# KiCad board PANEL_DRY_ELECTRODES.kicad_pcb (continued)
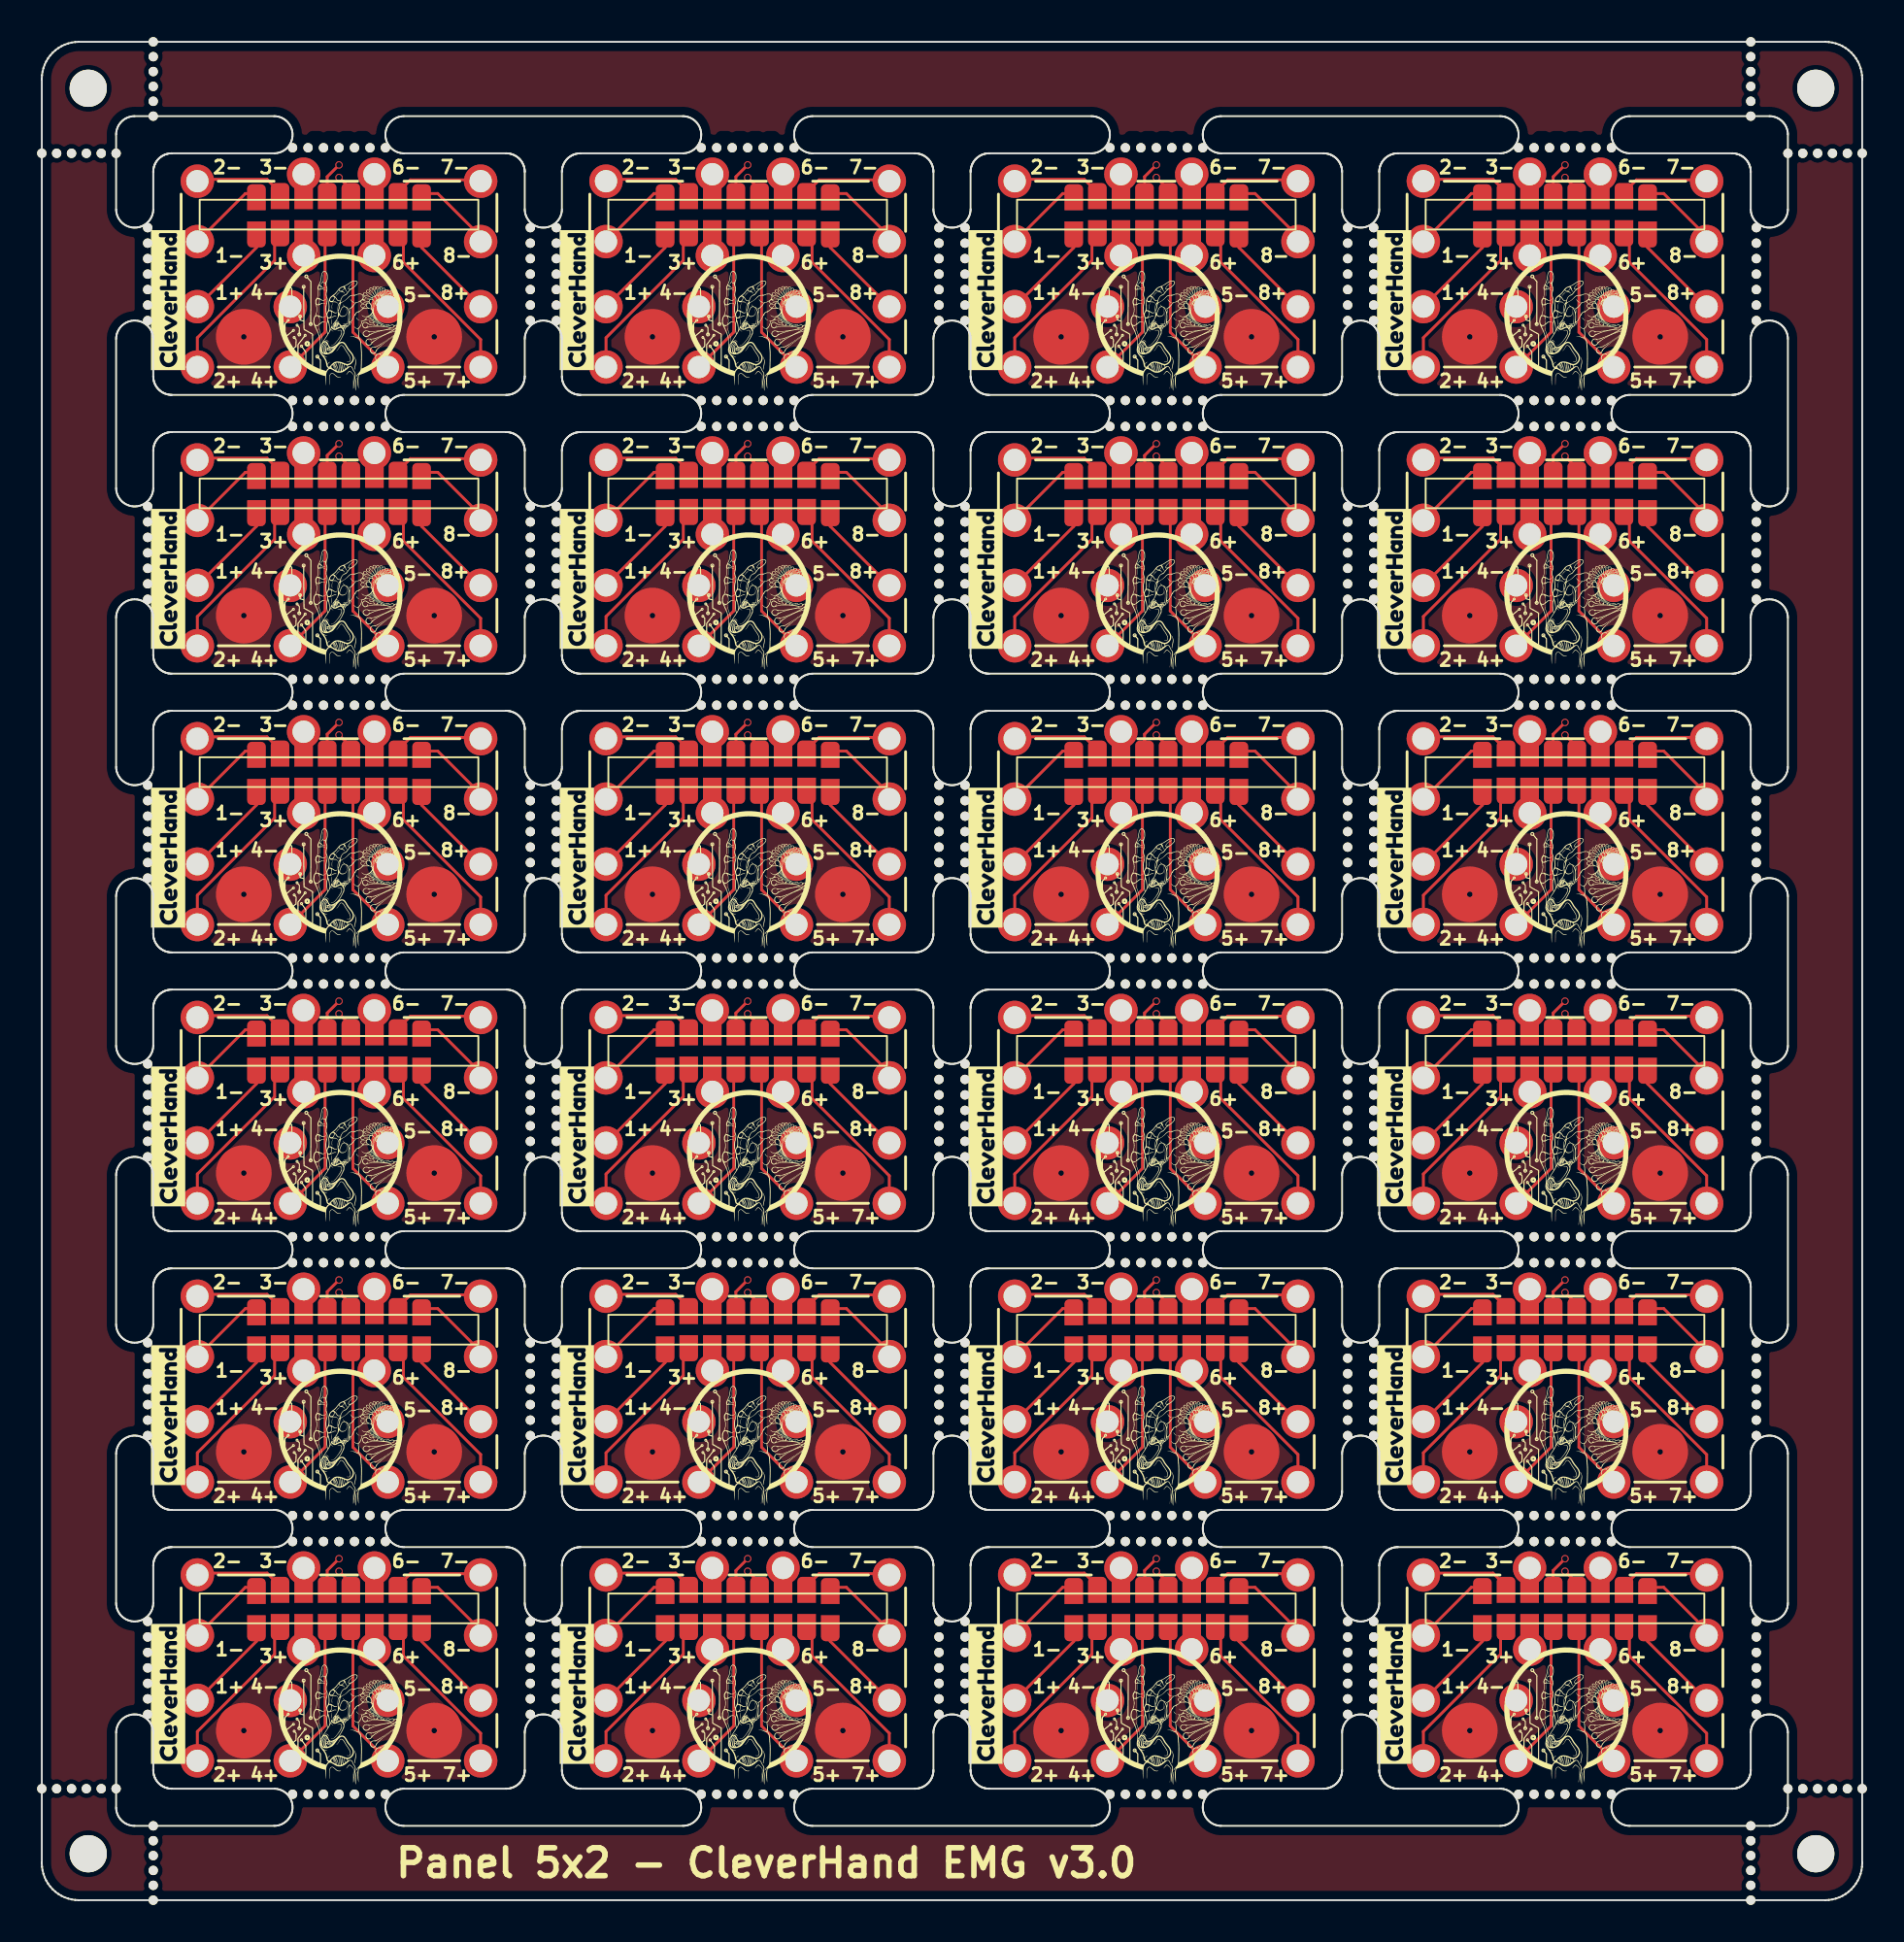
[diagram p0: board, top side]
## Placement (name value [footprint] x y rotation side) (continued)
J10  Conn_01x01_Pin  [SolderWirePad_1x01_SMD_1x2mm]  12.83 90 180 top
J10#2  Conn_01x01_Pin  [SolderWirePad_1x01_SMD_1x2mm]  78.83 90 180 top
J10#3  Conn_01x01_Pin  [SolderWirePad_1x01_SMD_1x2mm]  34.83 30 180 top
J10#4  Conn_01x01_Pin  [SolderWirePad_1x01_SMD_1x2mm]  56.83 75 180 top
J10#5  Conn_01x01_Pin  [SolderWirePad_1x01_SMD_1x2mm]  34.83 60 180 top
J10#6  Conn_01x01_Pin  [SolderWirePad_1x01_SMD_1x2mm]  78.83 15 180 top
J10#7  Conn_01x01_Pin  [SolderWirePad_1x01_SMD_1x2mm]  78.83 30 180 top
J10#8  Conn_01x01_Pin  [SolderWirePad_1x01_SMD_1x2mm]  12.83 75 180 top
J10#9  Conn_01x01_Pin  [SolderWirePad_1x01_SMD_1x2mm]  56.83 30 180 top
J10#10  Conn_01x01_Pin  [SolderWirePad_1x01_SMD_1x2mm]  78.83 60 180 top
J10#11  Conn_01x01_Pin  [SolderWirePad_1x01_SMD_1x2mm]  12.83 45 180 top
J10#12  Conn_01x01_Pin  [SolderWirePad_1x01_SMD_1x2mm]  78.83 45 180 top
J10#13  Conn_01x01_Pin  [SolderWirePad_1x01_SMD_1x2mm]  12.83 15 180 top
J10#14  Conn_01x01_Pin  [SolderWirePad_1x01_SMD_1x2mm]  12.83 60 180 top
J10#15  Conn_01x01_Pin  [SolderWirePad_1x01_SMD_1x2mm]  56.83 60 180 top
J10#16  Conn_01x01_Pin  [SolderWirePad_1x01_SMD_1x2mm]  56.83 45 180 top
J10#17  Conn_01x01_Pin  [SolderWirePad_1x01_SMD_1x2mm]  56.83 15 180 top
J10#18  Conn_01x01_Pin  [SolderWirePad_1x01_SMD_1x2mm]  56.83 90 180 top
J10#19  Conn_01x01_Pin  [SolderWirePad_1x01_SMD_1x2mm]  12.83 30 180 top
J10#20  Conn_01x01_Pin  [SolderWirePad_1x01_SMD_1x2mm]  34.83 45 180 top
J10#21  Conn_01x01_Pin  [SolderWirePad_1x01_SMD_1x2mm]  34.83 90 180 top
J10#22  Conn_01x01_Pin  [SolderWirePad_1x01_SMD_1x2mm]  34.83 15 180 top
J10#23  Conn_01x01_Pin  [SolderWirePad_1x01_SMD_1x2mm]  34.83 75 180 top
J10#24  Conn_01x01_Pin  [SolderWirePad_1x01_SMD_1x2mm]  78.83 75 180 top
J11  Conn_01x01_Pin  [SolderWirePad_1x01_SMD_1x2mm]  36.09 15 180 top
J11#2  Conn_01x01_Pin  [SolderWirePad_1x01_SMD_1x2mm]  58.09 15 180 top
J11#3  Conn_01x01_Pin  [SolderWirePad_1x01_SMD_1x2mm]  80.09 30 180 top
J11#4  Conn_01x01_Pin  [SolderWirePad_1x01_SMD_1x2mm]  58.09 45 180 top
J11#5  Conn_01x01_Pin  [SolderWirePad_1x01_SMD_1x2mm]  36.09 30 180 top
J11#6  Conn_01x01_Pin  [SolderWirePad_1x01_SMD_1x2mm]  80.09 90 180 top
J11#7  Conn_01x01_Pin  [SolderWirePad_1x01_SMD_1x2mm]  58.09 30 180 top
J11#8  Conn_01x01_Pin  [SolderWirePad_1x01_SMD_1x2mm]  36.09 45 180 top
J11#9  Conn_01x01_Pin  [SolderWirePad_1x01_SMD_1x2mm]  14.09 30 180 top
J11#10  Conn_01x01_Pin  [SolderWirePad_1x01_SMD_1x2mm]  80.09 60 180 top
J11#11  Conn_01x01_Pin  [SolderWirePad_1x01_SMD_1x2mm]  14.09 90 180 top
J11#12  Conn_01x01_Pin  [SolderWirePad_1x01_SMD_1x2mm]  58.09 60 180 top
J11#13  Conn_01x01_Pin  [SolderWirePad_1x01_SMD_1x2mm]  80.09 45 180 top
J11#14  Conn_01x01_Pin  [SolderWirePad_1x01_SMD_1x2mm]  80.09 15 180 top
J11#15  Conn_01x01_Pin  [SolderWirePad_1x01_SMD_1x2mm]  36.09 60 180 top
J11#16  Conn_01x01_Pin  [SolderWirePad_1x01_SMD_1x2mm]  58.09 90 180 top
J11#17  Conn_01x01_Pin  [SolderWirePad_1x01_SMD_1x2mm]  14.09 45 180 top
J11#18  Conn_01x01_Pin  [SolderWirePad_1x01_SMD_1x2mm]  14.09 60 180 top
J11#19  Conn_01x01_Pin  [SolderWirePad_1x01_SMD_1x2mm]  14.09 15 180 top
J11#20  Conn_01x01_Pin  [SolderWirePad_1x01_SMD_1x2mm]  80.09 75 180 top
J11#21  Conn_01x01_Pin  [SolderWirePad_1x01_SMD_1x2mm]  36.09 90 180 top
J11#22  Conn_01x01_Pin  [SolderWirePad_1x01_SMD_1x2mm]  36.09 75 180 top
J11#23  Conn_01x01_Pin  [SolderWirePad_1x01_SMD_1x2mm]  58.09 75 180 top
J11#24  Conn_01x01_Pin  [SolderWirePad_1x01_SMD_1x2mm]  14.09 75 180 top
J12  Conn_01x01_Pin  [SolderWirePad_1x01_SMD_1x2mm]  37.37 45 180 top
J12#2  Conn_01x01_Pin  [SolderWirePad_1x01_SMD_1x2mm]  15.37 45 180 top
J12#3  Conn_01x01_Pin  [SolderWirePad_1x01_SMD_1x2mm]  81.37 75 180 top
J12#4  Conn_01x01_Pin  [SolderWirePad_1x01_SMD_1x2mm]  37.37 15 180 top
J12#5  Conn_01x01_Pin  [SolderWirePad_1x01_SMD_1x2mm]  81.37 90 180 top
J12#6  Conn_01x01_Pin  [SolderWirePad_1x01_SMD_1x2mm]  37.37 30 180 top
J12#7  Conn_01x01_Pin  [SolderWirePad_1x01_SMD_1x2mm]  59.37 30 180 top
J12#8  Conn_01x01_Pin  [SolderWirePad_1x01_SMD_1x2mm]  59.37 75 180 top
J12#9  Conn_01x01_Pin  [SolderWirePad_1x01_SMD_1x2mm]  81.37 60 180 top
J12#10  Conn_01x01_Pin  [SolderWirePad_1x01_SMD_1x2mm]  37.37 90 180 top
J12#11  Conn_01x01_Pin  [SolderWirePad_1x01_SMD_1x2mm]  59.37 15 180 top
J12#12  Conn_01x01_Pin  [SolderWirePad_1x01_SMD_1x2mm]  15.37 75 180 top
J12#13  Conn_01x01_Pin  [SolderWirePad_1x01_SMD_1x2mm]  15.37 30 180 top
J12#14  Conn_01x01_Pin  [SolderWirePad_1x01_SMD_1x2mm]  37.37 60 180 top
J12#15  Conn_01x01_Pin  [SolderWirePad_1x01_SMD_1x2mm]  15.37 90 180 top
J12#16  Conn_01x01_Pin  [SolderWirePad_1x01_SMD_1x2mm]  15.37 15 180 top
J12#17  Conn_01x01_Pin  [SolderWirePad_1x01_SMD_1x2mm]  59.37 45 180 top
J12#18  Conn_01x01_Pin  [SolderWirePad_1x01_SMD_1x2mm]  81.37 30 180 top
J12#19  Conn_01x01_Pin  [SolderWirePad_1x01_SMD_1x2mm]  59.37 90 180 top
J12#20  Conn_01x01_Pin  [SolderWirePad_1x01_SMD_1x2mm]  37.37 75 180 top
J12#21  Conn_01x01_Pin  [SolderWirePad_1x01_SMD_1x2mm]  81.37 15 180 top
J12#22  Conn_01x01_Pin  [SolderWirePad_1x01_SMD_1x2mm]  15.37 60 180 top
J12#23  Conn_01x01_Pin  [SolderWirePad_1x01_SMD_1x2mm]  81.37 45 180 top
J12#24  Conn_01x01_Pin  [SolderWirePad_1x01_SMD_1x2mm]  59.37 60 180 top
J13  Conn_01x01_Pin  [SolderWirePad_1x01_SMD_1x2mm]  38.63 30 180 top
J13#2  Conn_01x01_Pin  [SolderWirePad_1x01_SMD_1x2mm]  60.63 30 180 top
J13#3  Conn_01x01_Pin  [SolderWirePad_1x01_SMD_1x2mm]  38.63 60 180 top
J13#4  Conn_01x01_Pin  [SolderWirePad_1x01_SMD_1x2mm]  82.63 75 180 top
J13#5  Conn_01x01_Pin  [SolderWirePad_1x01_SMD_1x2mm]  82.63 90 180 top
J13#6  Conn_01x01_Pin  [SolderWirePad_1x01_SMD_1x2mm]  60.63 15 180 top
J13#7  Conn_01x01_Pin  [SolderWirePad_1x01_SMD_1x2mm]  82.63 45 180 top
J13#8  Conn_01x01_Pin  [SolderWirePad_1x01_SMD_1x2mm]  16.63 45 180 top
J13#9  Conn_01x01_Pin  [SolderWirePad_1x01_SMD_1x2mm]  38.63 45 180 top
J13#10  Conn_01x01_Pin  [SolderWirePad_1x01_SMD_1x2mm]  38.63 15 180 top
J13#11  Conn_01x01_Pin  [SolderWirePad_1x01_SMD_1x2mm]  60.63 60 180 top
J13#12  Conn_01x01_Pin  [SolderWirePad_1x01_SMD_1x2mm]  60.63 90 180 top
J13#13  Conn_01x01_Pin  [SolderWirePad_1x01_SMD_1x2mm]  60.63 45 180 top
J13#14  Conn_01x01_Pin  [SolderWirePad_1x01_SMD_1x2mm]  16.63 30 180 top
J13#15  Conn_01x01_Pin  [SolderWirePad_1x01_SMD_1x2mm]  82.63 15 180 top
J13#16  Conn_01x01_Pin  [SolderWirePad_1x01_SMD_1x2mm]  60.63 75 180 top
J13#17  Conn_01x01_Pin  [SolderWirePad_1x01_SMD_1x2mm]  38.63 90 180 top
J13#18  Conn_01x01_Pin  [SolderWirePad_1x01_SMD_1x2mm]  38.63 75 180 top
J13#19  Conn_01x01_Pin  [SolderWirePad_1x01_SMD_1x2mm]  16.63 15 180 top
J13#20  Conn_01x01_Pin  [SolderWirePad_1x01_SMD_1x2mm]  82.63 60 180 top
J13#21  Conn_01x01_Pin  [SolderWirePad_1x01_SMD_1x2mm]  82.63 30 180 top
J13#22  Conn_01x01_Pin  [SolderWirePad_1x01_SMD_1x2mm]  16.63 75 180 top
J13#23  Conn_01x01_Pin  [SolderWirePad_1x01_SMD_1x2mm]  16.63 90 180 top
J13#24  Conn_01x01_Pin  [SolderWirePad_1x01_SMD_1x2mm]  16.63 60 180 top
J14  Conn_01x01_Pin  [SolderWirePad_1x01_SMD_1x2mm]  83.91 90 180 top
J14#2  Conn_01x01_Pin  [SolderWirePad_1x01_SMD_1x2mm]  39.91 15 180 top
J14#3  Conn_01x01_Pin  [SolderWirePad_1x01_SMD_1x2mm]  83.91 30 180 top
J14#4  Conn_01x01_Pin  [SolderWirePad_1x01_SMD_1x2mm]  83.91 45 180 top
J14#5  Conn_01x01_Pin  [SolderWirePad_1x01_SMD_1x2mm]  61.91 75 180 top
J14#6  Conn_01x01_Pin  [SolderWirePad_1x01_SMD_1x2mm]  83.91 15 180 top
J14#7  Conn_01x01_Pin  [SolderWirePad_1x01_SMD_1x2mm]  61.91 45 180 top
J14#8  Conn_01x01_Pin  [SolderWirePad_1x01_SMD_1x2mm]  17.91 90 180 top
J14#9  Conn_01x01_Pin  [SolderWirePad_1x01_SMD_1x2mm]  17.91 30 180 top
J14#10  Conn_01x01_Pin  [SolderWirePad_1x01_SMD_1x2mm]  39.91 90 180 top
J14#11  Conn_01x01_Pin  [SolderWirePad_1x01_SMD_1x2mm]  39.91 45 180 top
J14#12  Conn_01x01_Pin  [SolderWirePad_1x01_SMD_1x2mm]  83.91 60 180 top
J14#13  Conn_01x01_Pin  [SolderWirePad_1x01_SMD_1x2mm]  61.91 60 180 top
J14#14  Conn_01x01_Pin  [SolderWirePad_1x01_SMD_1x2mm]  83.91 75 180 top
J14#15  Conn_01x01_Pin  [SolderWirePad_1x01_SMD_1x2mm]  17.91 75 180 top
J14#16  Conn_01x01_Pin  [SolderWirePad_1x01_SMD_1x2mm]  17.91 15 180 top
J14#17  Conn_01x01_Pin  [SolderWirePad_1x01_SMD_1x2mm]  61.91 90 180 top
J14#18  Conn_01x01_Pin  [SolderWirePad_1x01_SMD_1x2mm]  61.91 30 180 top
J14#19  Conn_01x01_Pin  [SolderWirePad_1x01_SMD_1x2mm]  39.91 30 180 top
J14#20  Conn_01x01_Pin  [SolderWirePad_1x01_SMD_1x2mm]  61.91 15 180 top
J14#21  Conn_01x01_Pin  [SolderWirePad_1x01_SMD_1x2mm]  39.91 75 180 top
J14#22  Conn_01x01_Pin  [SolderWirePad_1x01_SMD_1x2mm]  39.91 60 180 top
J14#23  Conn_01x01_Pin  [SolderWirePad_1x01_SMD_1x2mm]  17.91 45 180 top
J14#24  Conn_01x01_Pin  [SolderWirePad_1x01_SMD_1x2mm]  17.91 60 180 top
J15  Conn_01x01_Pin  [SolderWirePad_1x01_SMD_1x2mm]  41.17 30 180 top
J15#2  Conn_01x01_Pin  [SolderWirePad_1x01_SMD_1x2mm]  63.17 45 180 top
J15#3  Conn_01x01_Pin  [SolderWirePad_1x01_SMD_1x2mm]  85.17 60 180 top
J15#4  Conn_01x01_Pin  [SolderWirePad_1x01_SMD_1x2mm]  85.17 30 180 top
J15#5  Conn_01x01_Pin  [SolderWirePad_1x01_SMD_1x2mm]  19.18 60 180 top
J15#6  Conn_01x01_Pin  [SolderWirePad_1x01_SMD_1x2mm]  19.18 45 180 top
J15#7  Conn_01x01_Pin  [SolderWirePad_1x01_SMD_1x2mm]  63.17 90 180 top
J15#8  Conn_01x01_Pin  [SolderWirePad_1x01_SMD_1x2mm]  19.18 30 180 top
J15#9  Conn_01x01_Pin  [SolderWirePad_1x01_SMD_1x2mm]  85.17 90 180 top
J15#10  Conn_01x01_Pin  [SolderWirePad_1x01_SMD_1x2mm]  19.18 90 180 top
J15#11  Conn_01x01_Pin  [SolderWirePad_1x01_SMD_1x2mm]  41.17 60 180 top
J15#12  Conn_01x01_Pin  [SolderWirePad_1x01_SMD_1x2mm]  63.17 30 180 top
J15#13  Conn_01x01_Pin  [SolderWirePad_1x01_SMD_1x2mm]  41.17 15 180 top
J15#14  Conn_01x01_Pin  [SolderWirePad_1x01_SMD_1x2mm]  41.17 45 180 top
J15#15  Conn_01x01_Pin  [SolderWirePad_1x01_SMD_1x2mm]  63.17 75 180 top
J15#16  Conn_01x01_Pin  [SolderWirePad_1x01_SMD_1x2mm]  85.17 75 180 top
J15#17  Conn_01x01_Pin  [SolderWirePad_1x01_SMD_1x2mm]  41.17 90 180 top
J15#18  Conn_01x01_Pin  [SolderWirePad_1x01_SMD_1x2mm]  63.17 15 180 top
J15#19  Conn_01x01_Pin  [SolderWirePad_1x01_SMD_1x2mm]  85.17 15 180 top
J15#20  Conn_01x01_Pin  [SolderWirePad_1x01_SMD_1x2mm]  19.18 15 180 top
J15#21  Conn_01x01_Pin  [SolderWirePad_1x01_SMD_1x2mm]  19.18 75 180 top
J15#22  Conn_01x01_Pin  [SolderWirePad_1x01_SMD_1x2mm]  85.17 45 180 top
J15#23  Conn_01x01_Pin  [SolderWirePad_1x01_SMD_1x2mm]  63.17 60 180 top
J15#24  Conn_01x01_Pin  [SolderWirePad_1x01_SMD_1x2mm]  41.17 75 180 top
J16  Conn_01x01_Pin  [SolderWirePad_1x01_SMD_1x2mm]  20.45 74.94 180 top
J16#2  Conn_01x01_Pin  [SolderWirePad_1x01_SMD_1x2mm]  20.45 89.94 180 top
J16#3  Conn_01x01_Pin  [SolderWirePad_1x01_SMD_1x2mm]  64.44 89.94 180 top
J16#4  Conn_01x01_Pin  [SolderWirePad_1x01_SMD_1x2mm]  86.44 29.94 180 top
J16#5  Conn_01x01_Pin  [SolderWirePad_1x01_SMD_1x2mm]  42.45 14.94 180 top
J16#6  Conn_01x01_Pin  [SolderWirePad_1x01_SMD_1x2mm]  64.44 14.94 180 top
J16#7  Conn_01x01_Pin  [SolderWirePad_1x01_SMD_1x2mm]  86.44 14.94 180 top
J16#8  Conn_01x01_Pin  [SolderWirePad_1x01_SMD_1x2mm]  20.45 29.94 180 top
J16#9  Conn_01x01_Pin  [SolderWirePad_1x01_SMD_1x2mm]  86.44 44.94 180 top
J16#10  Conn_01x01_Pin  [SolderWirePad_1x01_SMD_1x2mm]  42.45 74.94 180 top
J16#11  Conn_01x01_Pin  [SolderWirePad_1x01_SMD_1x2mm]  86.44 89.94 180 top
J16#12  Conn_01x01_Pin  [SolderWirePad_1x01_SMD_1x2mm]  20.45 59.94 180 top
J16#13  Conn_01x01_Pin  [SolderWirePad_1x01_SMD_1x2mm]  64.44 74.94 180 top
J16#14  Conn_01x01_Pin  [SolderWirePad_1x01_SMD_1x2mm]  64.44 29.94 180 top
J16#15  Conn_01x01_Pin  [SolderWirePad_1x01_SMD_1x2mm]  42.45 89.94 180 top
J16#16  Conn_01x01_Pin  [SolderWirePad_1x01_SMD_1x2mm]  20.45 44.94 180 top
J16#17  Conn_01x01_Pin  [SolderWirePad_1x01_SMD_1x2mm]  86.44 74.94 180 top
J16#18  Conn_01x01_Pin  [SolderWirePad_1x01_SMD_1x2mm]  42.45 44.94 180 top
J16#19  Conn_01x01_Pin  [SolderWirePad_1x01_SMD_1x2mm]  20.45 14.94 180 top
J16#20  Conn_01x01_Pin  [SolderWirePad_1x01_SMD_1x2mm]  42.45 29.94 180 top
J16#21  Conn_01x01_Pin  [SolderWirePad_1x01_SMD_1x2mm]  64.44 59.94 180 top
J16#22  Conn_01x01_Pin  [SolderWirePad_1x01_SMD_1x2mm]  86.44 59.94 180 top
J16#23  Conn_01x01_Pin  [SolderWirePad_1x01_SMD_1x2mm]  64.44 44.94 180 top
J16#24  Conn_01x01_Pin  [SolderWirePad_1x01_SMD_1x2mm]  42.45 59.94 180 top
J17  Conn_01x01_Pin  [Pin_D1.2mm_pogo]  30.38 74.25 0 top
J17#2  Conn_01x01_Pin  [Pin_D1.2mm_pogo]  74.38 74.25 0 top
J17#3  Conn_01x01_Pin  [Pin_D1.2mm_pogo]  52.38 74.25 0 top
J17#4  Conn_01x01_Pin  [Pin_D1.2mm_pogo]  52.38 14.25 0 top
J17#5  Conn_01x01_Pin  [Pin_D1.2mm_pogo]  74.38 89.25 0 top
J17#6  Conn_01x01_Pin  [Pin_D1.2mm_pogo]  8.38 89.25 0 top
J17#7  Conn_01x01_Pin  [Pin_D1.2mm_pogo]  30.38 59.25 0 top
J17#8  Conn_01x01_Pin  [Pin_D1.2mm_pogo]  74.38 59.25 0 top
J17#9  Conn_01x01_Pin  [Pin_D1.2mm_pogo]  74.38 44.25 0 top
J17#10  Conn_01x01_Pin  [Pin_D1.2mm_pogo]  8.38 29.25 0 top
J17#11  Conn_01x01_Pin  [Pin_D1.2mm_pogo]  74.38 29.25 0 top
J17#12  Conn_01x01_Pin  [Pin_D1.2mm_pogo]  52.38 89.25 0 top
J17#13  Conn_01x01_Pin  [Pin_D1.2mm_pogo]  30.38 29.25 0 top
J17#14  Conn_01x01_Pin  [Pin_D1.2mm_pogo]  30.38 44.25 0 top
J17#15  Conn_01x01_Pin  [Pin_D1.2mm_pogo]  8.38 74.25 0 top
J17#16  Conn_01x01_Pin  [Pin_D1.2mm_pogo]  8.38 59.25 0 top
J17#17  Conn_01x01_Pin  [Pin_D1.2mm_pogo]  8.38 44.25 0 top
J17#18  Conn_01x01_Pin  [Pin_D1.2mm_pogo]  52.38 44.25 0 top
J17#19  Conn_01x01_Pin  [Pin_D1.2mm_pogo]  30.38 14.25 0 top
J17#20  Conn_01x01_Pin  [Pin_D1.2mm_pogo]  74.38 14.25 0 top
J17#21  Conn_01x01_Pin  [Pin_D1.2mm_pogo]  52.38 59.25 0 top
J17#22  Conn_01x01_Pin  [Pin_D1.2mm_pogo]  8.38 14.25 0 top
J17#23  Conn_01x01_Pin  [Pin_D1.2mm_pogo]  52.38 29.25 0 top
J17#24  Conn_01x01_Pin  [Pin_D1.2mm_pogo]  30.38 89.25 0 top
J18  Conn_01x01_Pin  [Pin_D1.2mm_pogo]  8.38 92.5 0 top
J18#2  Conn_01x01_Pin  [Pin_D1.2mm_pogo]  74.38 17.5 0 top
J18#3  Conn_01x01_Pin  [Pin_D1.2mm_pogo]  8.38 32.5 0 top
J18#4  Conn_01x01_Pin  [Pin_D1.2mm_pogo]  30.38 32.5 0 top
J18#5  Conn_01x01_Pin  [Pin_D1.2mm_pogo]  52.38 47.5 0 top
J18#6  Conn_01x01_Pin  [Pin_D1.2mm_pogo]  52.38 77.5 0 top
J18#7  Conn_01x01_Pin  [Pin_D1.2mm_pogo]  74.38 92.5 0 top
J18#8  Conn_01x01_Pin  [Pin_D1.2mm_pogo]  52.38 92.5 0 top
J18#9  Conn_01x01_Pin  [Pin_D1.2mm_pogo]  52.38 62.5 0 top
J18#10  Conn_01x01_Pin  [Pin_D1.2mm_pogo]  8.38 62.5 0 top
J18#11  Conn_01x01_Pin  [Pin_D1.2mm_pogo]  30.38 77.5 0 top
J18#12  Conn_01x01_Pin  [Pin_D1.2mm_pogo]  52.38 17.5 0 top
J18#13  Conn_01x01_Pin  [Pin_D1.2mm_pogo]  8.38 77.5 0 top
J18#14  Conn_01x01_Pin  [Pin_D1.2mm_pogo]  52.38 32.5 0 top
J18#15  Conn_01x01_Pin  [Pin_D1.2mm_pogo]  8.38 47.5 0 top
J18#16  Conn_01x01_Pin  [Pin_D1.2mm_pogo]  74.38 77.5 0 top
J18#17  Conn_01x01_Pin  [Pin_D1.2mm_pogo]  8.38 17.5 0 top
J18#18  Conn_01x01_Pin  [Pin_D1.2mm_pogo]  74.38 32.5 0 top
J18#19  Conn_01x01_Pin  [Pin_D1.2mm_pogo]  30.38 47.5 0 top
J18#20  Conn_01x01_Pin  [Pin_D1.2mm_pogo]  74.38 62.5 0 top
J18#21  Conn_01x01_Pin  [Pin_D1.2mm_pogo]  30.38 62.5 0 top
J18#22  Conn_01x01_Pin  [Pin_D1.2mm_pogo]  30.38 17.5 0 top
J18#23  Conn_01x01_Pin  [Pin_D1.2mm_pogo]  74.38 47.5 0 top
J18#24  Conn_01x01_Pin  [Pin_D1.2mm_pogo]  30.38 92.5 0 top
J19  Conn_01x01_Pin  [Pin_D1.2mm_pogo]  58.09 62.88 0 top
J19#2  Conn_01x01_Pin  [Pin_D1.2mm_pogo]  14.09 32.88 0 top
J19#3  Conn_01x01_Pin  [Pin_D1.2mm_pogo]  58.09 92.88 0 top
J19#4  Conn_01x01_Pin  [Pin_D1.2mm_pogo]  80.09 47.88 0 top
J19#5  Conn_01x01_Pin  [Pin_D1.2mm_pogo]  80.09 17.88 0 top
J19#6  Conn_01x01_Pin  [Pin_D1.2mm_pogo]  80.09 92.88 0 top
J19#7  Conn_01x01_Pin  [Pin_D1.2mm_pogo]  14.09 17.88 0 top
J19#8  Conn_01x01_Pin  [Pin_D1.2mm_pogo]  36.09 17.88 0 top
J19#9  Conn_01x01_Pin  [Pin_D1.2mm_pogo]  14.09 62.88 0 top
J19#10  Conn_01x01_Pin  [Pin_D1.2mm_pogo]  58.09 47.88 0 top
J19#11  Conn_01x01_Pin  [Pin_D1.2mm_pogo]  36.09 32.88 0 top
J19#12  Conn_01x01_Pin  [Pin_D1.2mm_pogo]  14.09 47.88 0 top
J19#13  Conn_01x01_Pin  [Pin_D1.2mm_pogo]  36.09 77.88 0 top
J19#14  Conn_01x01_Pin  [Pin_D1.2mm_pogo]  14.09 92.88 0 top
J19#15  Conn_01x01_Pin  [Pin_D1.2mm_pogo]  80.09 62.88 0 top
J19#16  Conn_01x01_Pin  [Pin_D1.2mm_pogo]  58.09 77.88 0 top
J19#17  Conn_01x01_Pin  [Pin_D1.2mm_pogo]  36.09 92.88 0 top
J19#18  Conn_01x01_Pin  [Pin_D1.2mm_pogo]  58.09 32.88 0 top
J19#19  Conn_01x01_Pin  [Pin_D1.2mm_pogo]  14.09 77.88 0 top
J19#20  Conn_01x01_Pin  [Pin_D1.2mm_pogo]  80.09 32.88 0 top
J19#21  Conn_01x01_Pin  [Pin_D1.2mm_pogo]  36.09 47.88 0 top
J19#22  Conn_01x01_Pin  [Pin_D1.2mm_pogo]  58.09 17.88 0 top
J19#23  Conn_01x01_Pin  [Pin_D1.2mm_pogo]  80.09 77.88 0 top
J19#24  Conn_01x01_Pin  [Pin_D1.2mm_pogo]  36.09 62.88 0 top
J20  Conn_01x01_Pin  [Pin_D1.2mm_pogo]  57.38 70.75 0 top
J20#2  Conn_01x01_Pin  [Pin_D1.2mm_pogo]  13.38 70.75 0 top
J20#3  Conn_01x01_Pin  [Pin_D1.2mm_pogo]  35.38 55.75 0 top
J20#4  Conn_01x01_Pin  [Pin_D1.2mm_pogo]  35.38 25.75 0 top
J20#5  Conn_01x01_Pin  [Pin_D1.2mm_pogo]  57.38 55.75 0 top
J20#6  Conn_01x01_Pin  [Pin_D1.2mm_pogo]  35.38 10.75 0 top
J20#7  Conn_01x01_Pin  [Pin_D1.2mm_pogo]  79.38 40.75 0 top
J20#8  Conn_01x01_Pin  [Pin_D1.2mm_pogo]  13.38 85.75 0 top
J20#9  Conn_01x01_Pin  [Pin_D1.2mm_pogo]  79.38 70.75 0 top
J20#10  Conn_01x01_Pin  [Pin_D1.2mm_pogo]  79.38 55.75 0 top
J20#11  Conn_01x01_Pin  [Pin_D1.2mm_pogo]  13.38 10.75 0 top
J20#12  Conn_01x01_Pin  [Pin_D1.2mm_pogo]  57.38 25.75 0 top
J20#13  Conn_01x01_Pin  [Pin_D1.2mm_pogo]  79.38 85.75 0 top
J20#14  Conn_01x01_Pin  [Pin_D1.2mm_pogo]  79.38 25.75 0 top
J20#15  Conn_01x01_Pin  [Pin_D1.2mm_pogo]  13.38 40.75 0 top
J20#16  Conn_01x01_Pin  [Pin_D1.2mm_pogo]  79.38 10.75 0 top
J20#17  Conn_01x01_Pin  [Pin_D1.2mm_pogo]  13.38 55.75 0 top
J20#18  Conn_01x01_Pin  [Pin_D1.2mm_pogo]  35.38 70.75 0 top
J20#19  Conn_01x01_Pin  [Pin_D1.2mm_pogo]  57.38 40.75 0 top
J20#20  Conn_01x01_Pin  [Pin_D1.2mm_pogo]  35.38 85.75 0 top
J20#21  Conn_01x01_Pin  [Pin_D1.2mm_pogo]  35.38 40.75 0 top
J20#22  Conn_01x01_Pin  [Pin_D1.2mm_pogo]  57.38 10.75 0 top
J20#23  Conn_01x01_Pin  [Pin_D1.2mm_pogo]  57.38 85.75 0 top
J20#24  Conn_01x01_Pin  [Pin_D1.2mm_pogo]  13.38 25.75 0 top
J21  Conn_01x01_Pin  [Pin_D1.2mm_pogo]  40.62 10.75 0 top
J21#2  Conn_01x01_Pin  [Pin_D1.2mm_pogo]  18.62 70.75 0 top
J21#3  Conn_01x01_Pin  [Pin_D1.2mm_pogo]  18.62 25.75 0 top
J21#4  Conn_01x01_Pin  [Pin_D1.2mm_pogo]  62.62 55.75 0 top
J21#5  Conn_01x01_Pin  [Pin_D1.2mm_pogo]  84.62 40.75 0 top
J21#6  Conn_01x01_Pin  [Pin_D1.2mm_pogo]  18.62 40.75 0 top
J21#7  Conn_01x01_Pin  [Pin_D1.2mm_pogo]  18.62 10.75 0 top
J21#8  Conn_01x01_Pin  [Pin_D1.2mm_pogo]  62.62 85.75 0 top
J21#9  Conn_01x01_Pin  [Pin_D1.2mm_pogo]  84.62 10.75 0 top
J21#10  Conn_01x01_Pin  [Pin_D1.2mm_pogo]  62.62 70.75 0 top
J21#11  Conn_01x01_Pin  [Pin_D1.2mm_pogo]  84.62 70.75 0 top
J21#12  Conn_01x01_Pin  [Pin_D1.2mm_pogo]  84.62 55.75 0 top
J21#13  Conn_01x01_Pin  [Pin_D1.2mm_pogo]  40.62 25.75 0 top
J21#14  Conn_01x01_Pin  [Pin_D1.2mm_pogo]  84.62 25.75 0 top
J21#15  Conn_01x01_Pin  [Pin_D1.2mm_pogo]  40.62 70.75 0 top
J21#16  Conn_01x01_Pin  [Pin_D1.2mm_pogo]  40.62 40.75 0 top
J21#17  Conn_01x01_Pin  [Pin_D1.2mm_pogo]  62.62 10.75 0 top
J21#18  Conn_01x01_Pin  [Pin_D1.2mm_pogo]  84.62 85.75 0 top
J21#19  Conn_01x01_Pin  [Pin_D1.2mm_pogo]  62.62 40.75 0 top
J21#20  Conn_01x01_Pin  [Pin_D1.2mm_pogo]  18.62 85.75 0 top
J21#21  Conn_01x01_Pin  [Pin_D1.2mm_pogo]  40.62 85.75 0 top
J21#22  Conn_01x01_Pin  [Pin_D1.2mm_pogo]  40.62 55.75 0 top
J21#23  Conn_01x01_Pin  [Pin_D1.2mm_pogo]  62.62 25.75 0 top
J21#24  Conn_01x01_Pin  [Pin_D1.2mm_pogo]  18.62 55.75 0 top
J22  Conn_01x01_Pin  [Pin_D1.2mm_pogo]  61.91 92.88 0 top
J22#2  Conn_01x01_Pin  [Pin_D1.2mm_pogo]  17.91 77.88 0 top
J22#3  Conn_01x01_Pin  [Pin_D1.2mm_pogo]  39.91 47.88 0 top
J22#4  Conn_01x01_Pin  [Pin_D1.2mm_pogo]  61.91 17.88 0 top
J22#5  Conn_01x01_Pin  [Pin_D1.2mm_pogo]  39.91 92.88 0 top
J22#6  Conn_01x01_Pin  [Pin_D1.2mm_pogo]  39.91 62.88 0 top
J22#7  Conn_01x01_Pin  [Pin_D1.2mm_pogo]  61.91 77.88 0 top
J22#8  Conn_01x01_Pin  [Pin_D1.2mm_pogo]  17.91 92.88 0 top
J22#9  Conn_01x01_Pin  [Pin_D1.2mm_pogo]  39.91 77.88 0 top
J22#10  Conn_01x01_Pin  [Pin_D1.2mm_pogo]  83.91 17.88 0 top
J22#11  Conn_01x01_Pin  [Pin_D1.2mm_pogo]  39.91 32.88 0 top
J22#12  Conn_01x01_Pin  [Pin_D1.2mm_pogo]  61.91 47.88 0 top
J22#13  Conn_01x01_Pin  [Pin_D1.2mm_pogo]  83.91 32.88 0 top
J22#14  Conn_01x01_Pin  [Pin_D1.2mm_pogo]  17.91 62.88 0 top
J22#15  Conn_01x01_Pin  [Pin_D1.2mm_pogo]  83.91 92.88 0 top
J22#16  Conn_01x01_Pin  [Pin_D1.2mm_pogo]  83.91 47.88 0 top
J22#17  Conn_01x01_Pin  [Pin_D1.2mm_pogo]  61.91 32.88 0 top
J22#18  Conn_01x01_Pin  [Pin_D1.2mm_pogo]  61.91 62.88 0 top
J22#19  Conn_01x01_Pin  [Pin_D1.2mm_pogo]  17.91 47.88 0 top
J22#20  Conn_01x01_Pin  [Pin_D1.2mm_pogo]  17.91 32.88 0 top
J22#21  Conn_01x01_Pin  [Pin_D1.2mm_pogo]  39.91 17.88 0 top
J22#22  Conn_01x01_Pin  [Pin_D1.2mm_pogo]  83.91 62.88 0 top
J22#23  Conn_01x01_Pin  [Pin_D1.2mm_pogo]  17.91 17.88 0 top
J22#24  Conn_01x01_Pin  [Pin_D1.2mm_pogo]  83.91 77.88 0 top
J23  Conn_01x01_Pin  [Pin_D1.2mm_pogo]  23.62 47.5 0 top
J23#2  Conn_01x01_Pin  [Pin_D1.2mm_pogo]  23.62 17.5 0 top
J23#3  Conn_01x01_Pin  [Pin_D1.2mm_pogo]  67.62 32.5 0 top
J23#4  Conn_01x01_Pin  [Pin_D1.2mm_pogo]  89.62 17.5 0 top
J23#5  Conn_01x01_Pin  [Pin_D1.2mm_pogo]  89.62 92.5 0 top
J23#6  Conn_01x01_Pin  [Pin_D1.2mm_pogo]  67.62 62.5 0 top
J23#7  Conn_01x01_Pin  [Pin_D1.2mm_pogo]  23.62 62.5 0 top
J23#8  Conn_01x01_Pin  [Pin_D1.2mm_pogo]  45.62 32.5 0 top
J23#9  Conn_01x01_Pin  [Pin_D1.2mm_pogo]  89.62 47.5 0 top
J23#10  Conn_01x01_Pin  [Pin_D1.2mm_pogo]  67.62 77.5 0 top
J23#11  Conn_01x01_Pin  [Pin_D1.2mm_pogo]  23.62 92.5 0 top
J23#12  Conn_01x01_Pin  [Pin_D1.2mm_pogo]  23.62 32.5 0 top
J23#13  Conn_01x01_Pin  [Pin_D1.2mm_pogo]  89.62 62.5 0 top
J23#14  Conn_01x01_Pin  [Pin_D1.2mm_pogo]  67.62 47.5 0 top
J23#15  Conn_01x01_Pin  [Pin_D1.2mm_pogo]  89.62 32.5 0 top
J23#16  Conn_01x01_Pin  [Pin_D1.2mm_pogo]  45.62 62.5 0 top
J23#17  Conn_01x01_Pin  [Pin_D1.2mm_pogo]  67.62 92.5 0 top
J23#18  Conn_01x01_Pin  [Pin_D1.2mm_pogo]  45.62 17.5 0 top
J23#19  Conn_01x01_Pin  [Pin_D1.2mm_pogo]  89.62 77.5 0 top
J23#20  Conn_01x01_Pin  [Pin_D1.2mm_pogo]  23.62 77.5 0 top
J23#21  Conn_01x01_Pin  [Pin_D1.2mm_pogo]  45.62 92.5 0 top
J23#22  Conn_01x01_Pin  [Pin_D1.2mm_pogo]  45.62 77.5 0 top
J23#23  Conn_01x01_Pin  [Pin_D1.2mm_pogo]  45.62 47.5 0 top
J23#24  Conn_01x01_Pin  [Pin_D1.2mm_pogo]  67.62 17.5 0 top
J24  Conn_01x01_Pin  [Pin_D1.2mm_pogo]  23.62 59.25 0 top
J24#2  Conn_01x01_Pin  [Pin_D1.2mm_pogo]  89.62 14.25 0 top
J24#3  Conn_01x01_Pin  [Pin_D1.2mm_pogo]  45.62 44.25 0 top
J24#4  Conn_01x01_Pin  [Pin_D1.2mm_pogo]  45.62 89.25 0 top
J24#5  Conn_01x01_Pin  [Pin_D1.2mm_pogo]  23.62 89.25 0 top
J24#6  Conn_01x01_Pin  [Pin_D1.2mm_pogo]  89.62 89.25 0 top
J24#7  Conn_01x01_Pin  [Pin_D1.2mm_pogo]  67.62 14.25 0 top
J24#8  Conn_01x01_Pin  [Pin_D1.2mm_pogo]  67.62 74.25 0 top
J24#9  Conn_01x01_Pin  [Pin_D1.2mm_pogo]  45.62 14.25 0 top
J24#10  Conn_01x01_Pin  [Pin_D1.2mm_pogo]  67.62 59.25 0 top
J24#11  Conn_01x01_Pin  [Pin_D1.2mm_pogo]  23.62 44.25 0 top
J24#12  Conn_01x01_Pin  [Pin_D1.2mm_pogo]  67.62 44.25 0 top
J24#13  Conn_01x01_Pin  [Pin_D1.2mm_pogo]  89.62 74.25 0 top
J24#14  Conn_01x01_Pin  [Pin_D1.2mm_pogo]  67.62 89.25 0 top
J24#15  Conn_01x01_Pin  [Pin_D1.2mm_pogo]  45.62 74.25 0 top
J24#16  Conn_01x01_Pin  [Pin_D1.2mm_pogo]  89.62 59.25 0 top
J24#17  Conn_01x01_Pin  [Pin_D1.2mm_pogo]  23.62 74.25 0 top
J24#18  Conn_01x01_Pin  [Pin_D1.2mm_pogo]  45.62 59.25 0 top
J24#19  Conn_01x01_Pin  [Pin_D1.2mm_pogo]  67.62 29.25 0 top
J24#20  Conn_01x01_Pin  [Pin_D1.2mm_pogo]  23.62 29.25 0 top
J24#21  Conn_01x01_Pin  [Pin_D1.2mm_pogo]  89.62 29.25 0 top
J24#22  Conn_01x01_Pin  [Pin_D1.2mm_pogo]  45.62 29.25 0 top
J24#23  Conn_01x01_Pin  [Pin_D1.2mm_pogo]  23.62 14.25 0 top
J24#24  Conn_01x01_Pin  [Pin_D1.2mm_pogo]  89.62 44.25 0 top
J25  Conn_01x01_Pin  [Pin_D1.2mm_pogo]  52.38 25.75 0 top
J25#2  Conn_01x01_Pin  [Pin_D1.2mm_pogo]  8.38 40.75 0 top
J25#3  Conn_01x01_Pin  [Pin_D1.2mm_pogo]  30.38 85.75 0 top
J25#4  Conn_01x01_Pin  [Pin_D1.2mm_pogo]  52.38 85.75 0 top
J25#5  Conn_01x01_Pin  [Pin_D1.2mm_pogo]  52.38 55.75 0 top
J25#6  Conn_01x01_Pin  [Pin_D1.2mm_pogo]  52.38 40.75 0 top
J25#7  Conn_01x01_Pin  [Pin_D1.2mm_pogo]  8.38 70.75 0 top
J25#8  Conn_01x01_Pin  [Pin_D1.2mm_pogo]  8.38 10.75 0 top
J25#9  Conn_01x01_Pin  [Pin_D1.2mm_pogo]  30.38 25.75 0 top
J25#10  Conn_01x01_Pin  [Pin_D1.2mm_pogo]  8.38 85.75 0 top
J25#11  Conn_01x01_Pin  [Pin_D1.2mm_pogo]  30.38 55.75 0 top
J25#12  Conn_01x01_Pin  [Pin_D1.2mm_pogo]  74.38 25.75 0 top
J25#13  Conn_01x01_Pin  [Pin_D1.2mm_pogo]  74.38 70.75 0 top
J25#14  Conn_01x01_Pin  [Pin_D1.2mm_pogo]  74.38 10.75 0 top
J25#15  Conn_01x01_Pin  [Pin_D1.2mm_pogo]  30.38 40.75 0 top
J25#16  Conn_01x01_Pin  [Pin_D1.2mm_pogo]  8.38 25.75 0 top
J25#17  Conn_01x01_Pin  [Pin_D1.2mm_pogo]  30.38 10.75 0 top
J25#18  Conn_01x01_Pin  [Pin_D1.2mm_pogo]  30.38 70.75 0 top
J25#19  Conn_01x01_Pin  [Pin_D1.2mm_pogo]  74.38 40.75 0 top
J25#20  Conn_01x01_Pin  [Pin_D1.2mm_pogo]  52.38 70.75 0 top
J25#21  Conn_01x01_Pin  [Pin_D1.2mm_pogo]  74.38 85.75 0 top
J25#22  Conn_01x01_Pin  [Pin_D1.2mm_pogo]  74.38 55.75 0 top
J25#23  Conn_01x01_Pin  [Pin_D1.2mm_pogo]  52.38 10.75 0 top
J25#24  Conn_01x01_Pin  [Pin_D1.2mm_pogo]  8.38 55.75 0 top
J26  Conn_01x01_Pin  [Pin_D1.2mm_pogo]  8.38 82.5 0 top
J26#2  Conn_01x01_Pin  [Pin_D1.2mm_pogo]  30.38 37.5 0 top
J26#3  Conn_01x01_Pin  [Pin_D1.2mm_pogo]  74.38 82.5 0 top
J26#4  Conn_01x01_Pin  [Pin_D1.2mm_pogo]  8.38 37.5 0 top
J26#5  Conn_01x01_Pin  [Pin_D1.2mm_pogo]  30.38 67.5 0 top
J26#6  Conn_01x01_Pin  [Pin_D1.2mm_pogo]  74.38 67.5 0 top
J26#7  Conn_01x01_Pin  [Pin_D1.2mm_pogo]  8.38 52.5 0 top
J26#8  Conn_01x01_Pin  [Pin_D1.2mm_pogo]  74.38 52.5 0 top
J26#9  Conn_01x01_Pin  [Pin_D1.2mm_pogo]  52.38 37.5 0 top
J26#10  Conn_01x01_Pin  [Pin_D1.2mm_pogo]  8.38 7.5 0 top
J26#11  Conn_01x01_Pin  [Pin_D1.2mm_pogo]  52.38 67.5 0 top
J26#12  Conn_01x01_Pin  [Pin_D1.2mm_pogo]  8.38 67.5 0 top
J26#13  Conn_01x01_Pin  [Pin_D1.2mm_pogo]  52.38 22.5 0 top
J26#14  Conn_01x01_Pin  [Pin_D1.2mm_pogo]  30.38 7.5 0 top
J26#15  Conn_01x01_Pin  [Pin_D1.2mm_pogo]  74.38 7.5 0 top
J26#16  Conn_01x01_Pin  [Pin_D1.2mm_pogo]  30.38 82.5 0 top
J26#17  Conn_01x01_Pin  [Pin_D1.2mm_pogo]  30.38 22.5 0 top
J26#18  Conn_01x01_Pin  [Pin_D1.2mm_pogo]  74.38 22.5 0 top
J26#19  Conn_01x01_Pin  [Pin_D1.2mm_pogo]  52.38 7.5 0 top
J26#20  Conn_01x01_Pin  [Pin_D1.2mm_pogo]  52.38 82.5 0 top
J26#21  Conn_01x01_Pin  [Pin_D1.2mm_pogo]  30.38 52.5 0 top
J26#22  Conn_01x01_Pin  [Pin_D1.2mm_pogo]  8.38 22.5 0 top
J26#23  Conn_01x01_Pin  [Pin_D1.2mm_pogo]  74.38 37.5 0 top
J26#24  Conn_01x01_Pin  [Pin_D1.2mm_pogo]  52.38 52.5 0 top
J27  Conn_01x01_Pin  [Pin_D1.2mm_pogo]  80.1 28.5 0 top
J27#2  Conn_01x01_Pin  [Pin_D1.2mm_pogo]  36.1 43.5 0 top
J27#3  Conn_01x01_Pin  [Pin_D1.2mm_pogo]  36.1 88.5 0 top
J27#4  Conn_01x01_Pin  [Pin_D1.2mm_pogo]  80.1 73.5 0 top
J27#5  Conn_01x01_Pin  [Pin_D1.2mm_pogo]  80.1 88.5 0 top
J27#6  Conn_01x01_Pin  [Pin_D1.2mm_pogo]  58.1 88.5 0 top
J27#7  Conn_01x01_Pin  [Pin_D1.2mm_pogo]  14.1 43.5 0 top
J27#8  Conn_01x01_Pin  [Pin_D1.2mm_pogo]  14.1 58.5 0 top
J27#9  Conn_01x01_Pin  [Pin_D1.2mm_pogo]  80.1 58.5 0 top
J27#10  Conn_01x01_Pin  [Pin_D1.2mm_pogo]  14.1 88.5 0 top
J27#11  Conn_01x01_Pin  [Pin_D1.2mm_pogo]  58.1 58.5 0 top
J27#12  Conn_01x01_Pin  [Pin_D1.2mm_pogo]  14.1 28.5 0 top
J27#13  Conn_01x01_Pin  [Pin_D1.2mm_pogo]  58.1 28.5 0 top
J27#14  Conn_01x01_Pin  [Pin_D1.2mm_pogo]  14.1 13.5 0 top
J27#15  Conn_01x01_Pin  [Pin_D1.2mm_pogo]  36.1 28.5 0 top
J27#16  Conn_01x01_Pin  [Pin_D1.2mm_pogo]  36.1 58.5 0 top
J27#17  Conn_01x01_Pin  [Pin_D1.2mm_pogo]  36.1 73.5 0 top
J27#18  Conn_01x01_Pin  [Pin_D1.2mm_pogo]  14.1 73.5 0 top
J27#19  Conn_01x01_Pin  [Pin_D1.2mm_pogo]  58.1 13.5 0 top
J27#20  Conn_01x01_Pin  [Pin_D1.2mm_pogo]  80.1 43.5 0 top
J27#21  Conn_01x01_Pin  [Pin_D1.2mm_pogo]  36.1 13.5 0 top
J27#22  Conn_01x01_Pin  [Pin_D1.2mm_pogo]  58.1 73.5 0 top
J27#23  Conn_01x01_Pin  [Pin_D1.2mm_pogo]  58.1 43.5 0 top
J27#24  Conn_01x01_Pin  [Pin_D1.2mm_pogo]  80.1 13.5 0 top
J28  Conn_01x01_Pin  [Pin_D1.2mm_pogo]  13.38 82.5 0 top
J28#2  Conn_01x01_Pin  [Pin_D1.2mm_pogo]  35.38 82.5 0 top
J28#3  Conn_01x01_Pin  [Pin_D1.2mm_pogo]  13.38 67.5 0 top
J28#4  Conn_01x01_Pin  [Pin_D1.2mm_pogo]  35.38 67.5 0 top
J28#5  Conn_01x01_Pin  [Pin_D1.2mm_pogo]  79.38 67.5 0 top
J28#6  Conn_01x01_Pin  [Pin_D1.2mm_pogo]  13.38 7.5 0 top
J28#7  Conn_01x01_Pin  [Pin_D1.2mm_pogo]  57.38 67.5 0 top
J28#8  Conn_01x01_Pin  [Pin_D1.2mm_pogo]  79.38 7.5 0 top
J28#9  Conn_01x01_Pin  [Pin_D1.2mm_pogo]  79.38 82.5 0 top
J28#10  Conn_01x01_Pin  [Pin_D1.2mm_pogo]  79.38 22.5 0 top
J28#11  Conn_01x01_Pin  [Pin_D1.2mm_pogo]  57.38 7.5 0 top
J28#12  Conn_01x01_Pin  [Pin_D1.2mm_pogo]  57.38 22.5 0 top
J28#13  Conn_01x01_Pin  [Pin_D1.2mm_pogo]  57.38 82.5 0 top
J28#14  Conn_01x01_Pin  [Pin_D1.2mm_pogo]  13.38 37.5 0 top
J28#15  Conn_01x01_Pin  [Pin_D1.2mm_pogo]  35.38 37.5 0 top
J28#16  Conn_01x01_Pin  [Pin_D1.2mm_pogo]  35.38 52.5 0 top
J28#17  Conn_01x01_Pin  [Pin_D1.2mm_pogo]  57.38 52.5 0 top
J28#18  Conn_01x01_Pin  [Pin_D1.2mm_pogo]  79.38 52.5 0 top
J28#19  Conn_01x01_Pin  [Pin_D1.2mm_pogo]  35.38 7.5 0 top
J28#20  Conn_01x01_Pin  [Pin_D1.2mm_pogo]  13.38 52.5 0 top
J28#21  Conn_01x01_Pin  [Pin_D1.2mm_pogo]  13.38 22.5 0 top
J28#22  Conn_01x01_Pin  [Pin_D1.2mm_pogo]  57.38 37.5 0 top
J28#23  Conn_01x01_Pin  [Pin_D1.2mm_pogo]  79.38 37.5 0 top
J28#24  Conn_01x01_Pin  [Pin_D1.2mm_pogo]  35.38 22.5 0 top
J29  Conn_01x01_Pin  [Pin_D1.2mm_pogo]  62.62 22.5 0 top
J29#2  Conn_01x01_Pin  [Pin_D1.2mm_pogo]  62.62 7.5 0 top
J29#3  Conn_01x01_Pin  [Pin_D1.2mm_pogo]  40.62 22.5 0 top
J29#4  Conn_01x01_Pin  [Pin_D1.2mm_pogo]  18.62 37.5 0 top
J29#5  Conn_01x01_Pin  [Pin_D1.2mm_pogo]  84.62 22.5 0 top
J29#6  Conn_01x01_Pin  [Pin_D1.2mm_pogo]  18.62 52.5 0 top
J29#7  Conn_01x01_Pin  [Pin_D1.2mm_pogo]  84.62 37.5 0 top
J29#8  Conn_01x01_Pin  [Pin_D1.2mm_pogo]  84.62 82.5 0 top
J29#9  Conn_01x01_Pin  [Pin_D1.2mm_pogo]  18.62 82.5 0 top
J29#10  Conn_01x01_Pin  [Pin_D1.2mm_pogo]  18.62 22.5 0 top
J29#11  Conn_01x01_Pin  [Pin_D1.2mm_pogo]  84.62 67.5 0 top
J29#12  Conn_01x01_Pin  [Pin_D1.2mm_pogo]  40.62 52.5 0 top
J29#13  Conn_01x01_Pin  [Pin_D1.2mm_pogo]  18.62 7.5 0 top
J29#14  Conn_01x01_Pin  [Pin_D1.2mm_pogo]  62.62 37.5 0 top
J29#15  Conn_01x01_Pin  [Pin_D1.2mm_pogo]  40.62 82.5 0 top
J29#16  Conn_01x01_Pin  [Pin_D1.2mm_pogo]  40.62 37.5 0 top
J29#17  Conn_01x01_Pin  [Pin_D1.2mm_pogo]  84.62 52.5 0 top
J29#18  Conn_01x01_Pin  [Pin_D1.2mm_pogo]  62.62 52.5 0 top
J29#19  Conn_01x01_Pin  [Pin_D1.2mm_pogo]  18.62 67.5 0 top
J29#20  Conn_01x01_Pin  [Pin_D1.2mm_pogo]  84.62 7.5 0 top
J29#21  Conn_01x01_Pin  [Pin_D1.2mm_pogo]  40.62 67.5 0 top
J29#22  Conn_01x01_Pin  [Pin_D1.2mm_pogo]  62.62 82.5 0 top
J29#23  Conn_01x01_Pin  [Pin_D1.2mm_pogo]  40.62 7.5 0 top
J29#24  Conn_01x01_Pin  [Pin_D1.2mm_pogo]  62.62 67.5 0 top
J30  Conn_01x01_Pin  [Pin_D1.2mm_pogo]  61.9 13.5 0 top
J30#2  Conn_01x01_Pin  [Pin_D1.2mm_pogo]  83.9 58.5 0 top
J30#3  Conn_01x01_Pin  [Pin_D1.2mm_pogo]  61.9 88.5 0 top
J30#4  Conn_01x01_Pin  [Pin_D1.2mm_pogo]  39.9 58.5 0 top
J30#5  Conn_01x01_Pin  [Pin_D1.2mm_pogo]  39.9 88.5 0 top
J30#6  Conn_01x01_Pin  [Pin_D1.2mm_pogo]  61.9 43.5 0 top
J30#7  Conn_01x01_Pin  [Pin_D1.2mm_pogo]  17.9 43.5 0 top
J30#8  Conn_01x01_Pin  [Pin_D1.2mm_pogo]  39.9 28.5 0 top
